# Altium PCB PCB.PcbDoc (part 1 of 4) (continued)
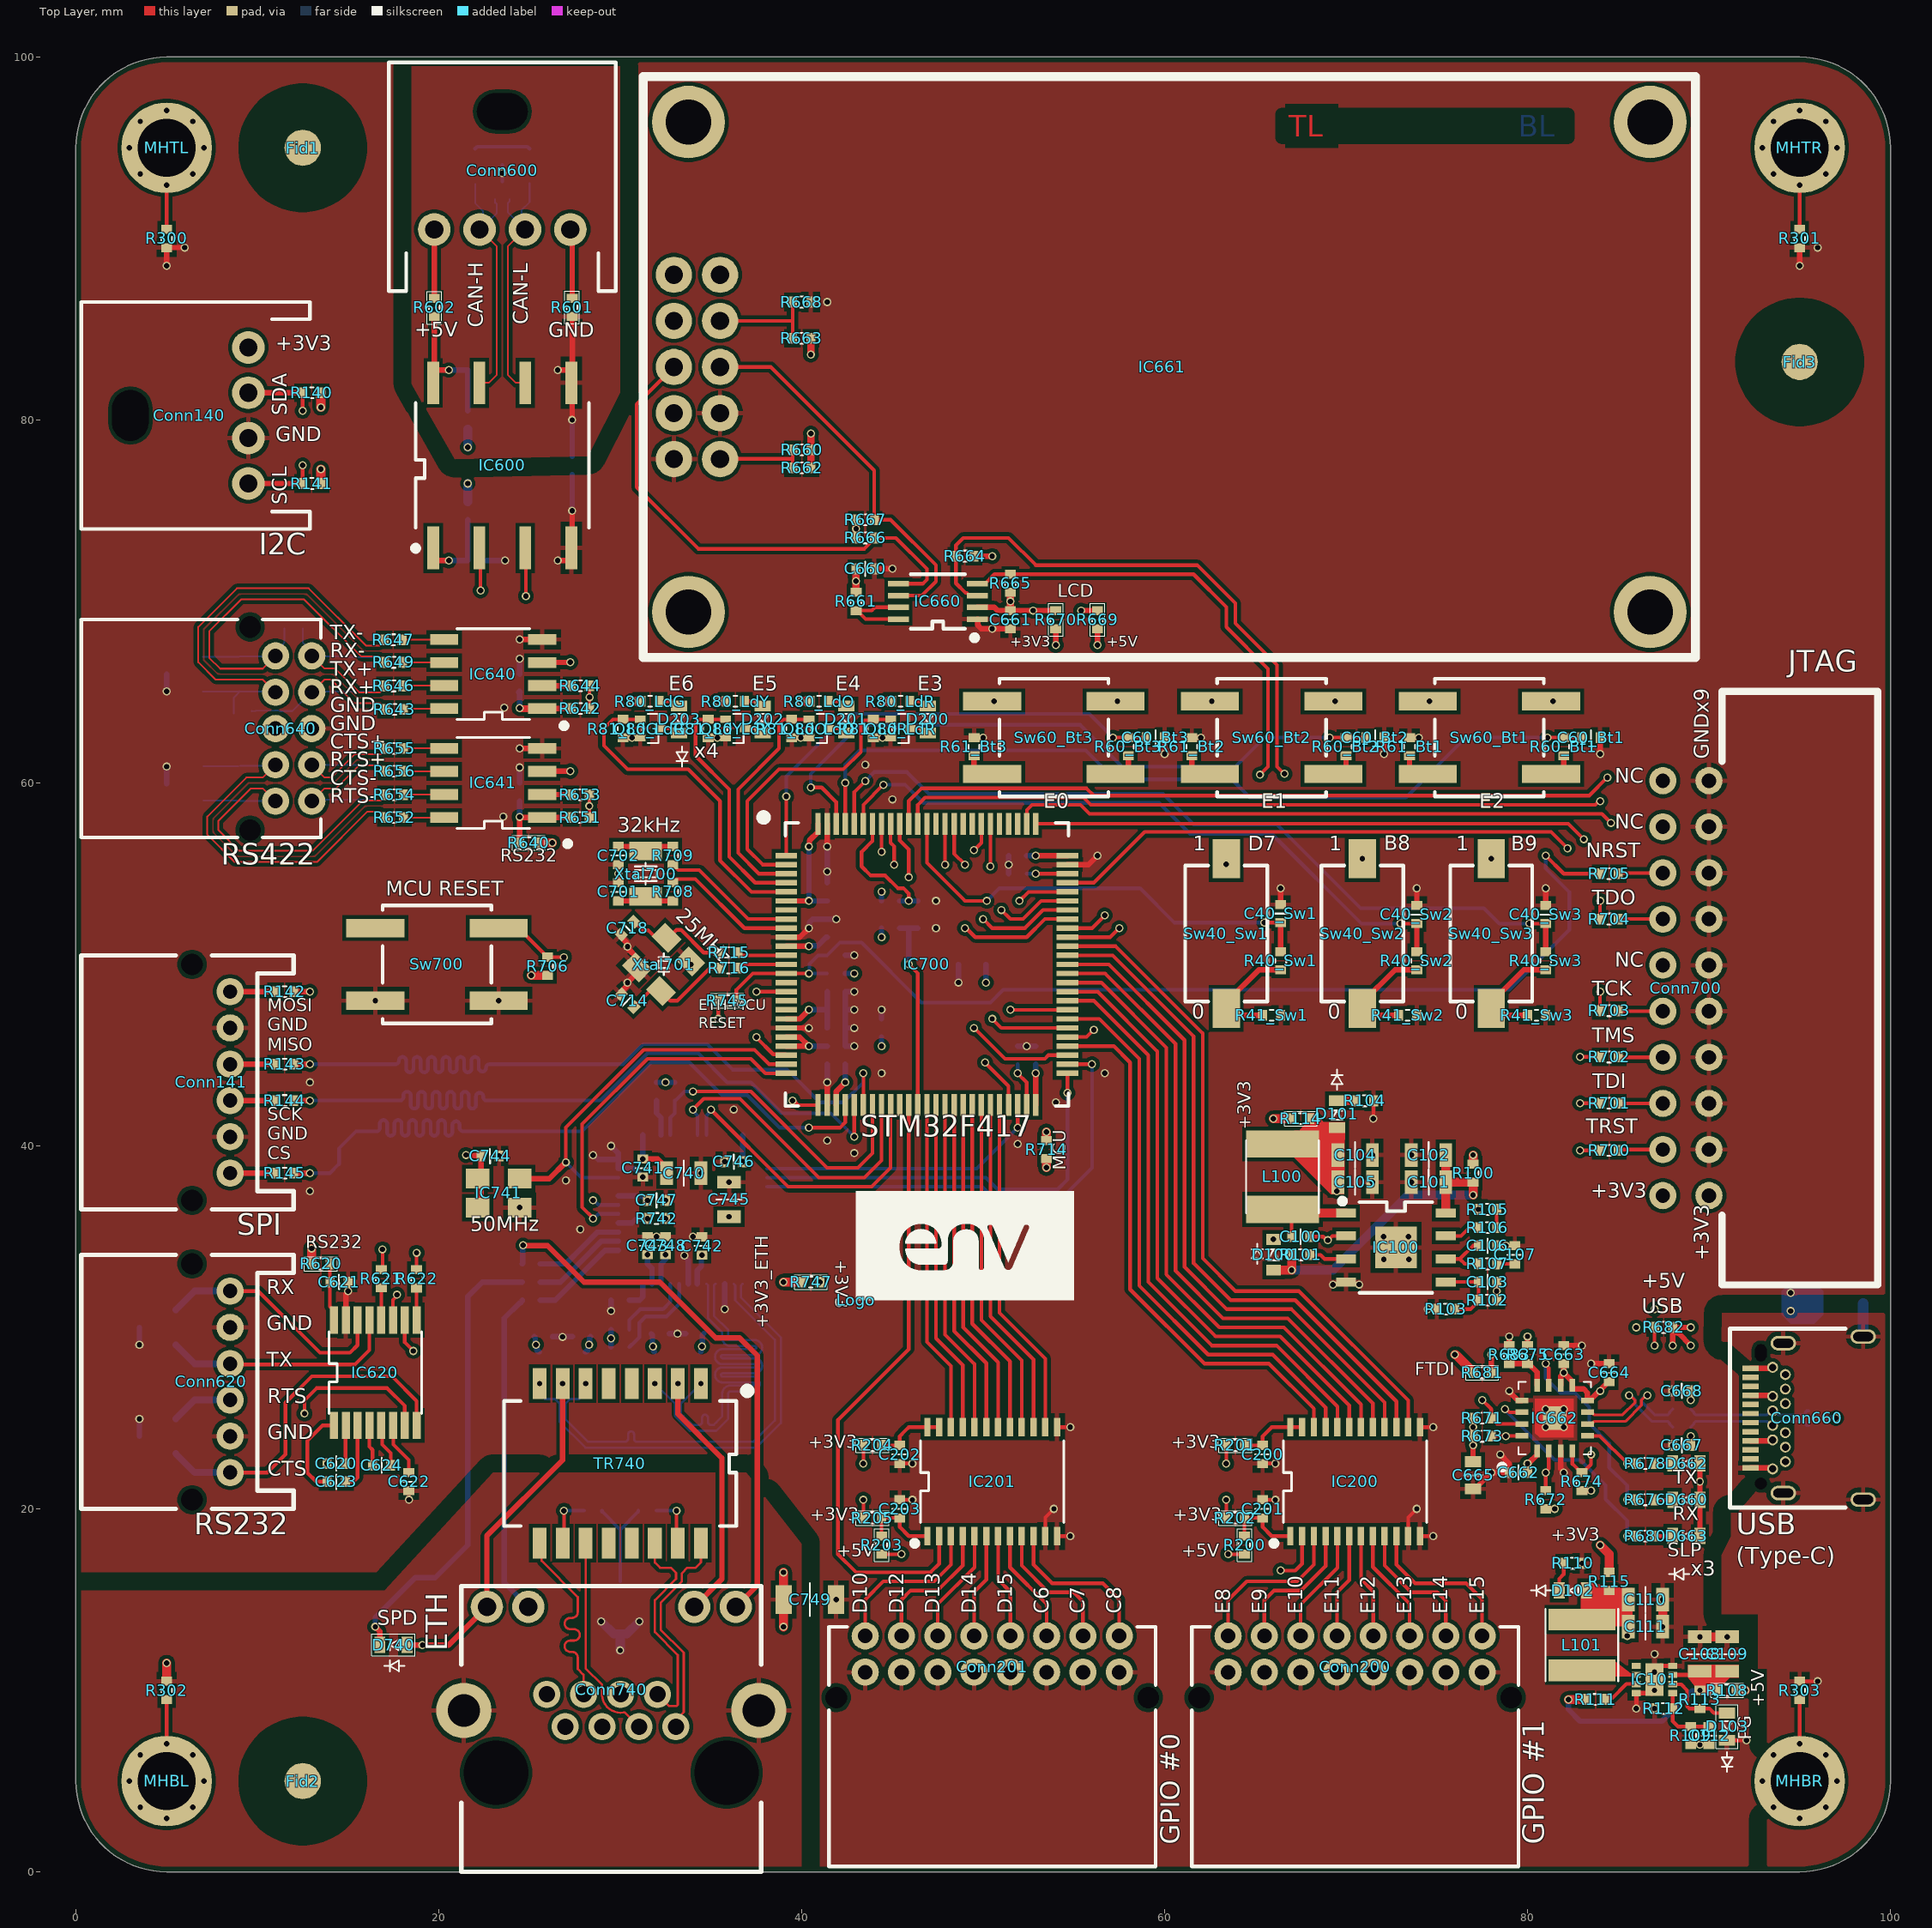
[diagram p0: Top Layer view]
## Components (designator, comment, footprint, x,y, rotation, side; value= is the part's Value field where it differs from the comment) (continued)
C703 "Capacitor_Seramic" Capacitor_Seramic_M1608_I0603 49.4,50 r180 bottom value=4.7uF
C704 "Capacitor_Seramic" Capacitor_Seramic_M1005_I0402 41.4,52 r270 bottom value=100nF
C705 "Capacitor_Seramic" Capacitor_Seramic_M1005_I0402 41.9,47.5 r180 bottom value=100nF
C706 "Capacitor_Seramic" Capacitor_Seramic_M1005_I0402 41.9,44.5 r0 bottom value=100nF
C707 "Capacitor_Seramic" Capacitor_Seramic_M1005_I0402 52.9,45 r270 bottom value=100nF
C708 "Capacitor_Seramic" Capacitor_Seramic_M1005_I0402 40.9,55.5 r180 bottom value=100nF
C709 "Capacitor_Seramic" Capacitor_Seramic_M1005_I0402 51.9,56 r0 bottom value=100nF
C710 "Capacitor_Seramic" Capacitor_Seramic_M1005_I0402 44.4,46.5 r90 bottom value=1uF
C711 "Capacitor_Seramic" Capacitor_Seramic_M1005_I0402 41.9,48.5 r0 bottom value=1uF
C712 "Capacitor_Seramic" Capacitor_Seramic_M1005_I0402 41.9,45.5 r180 bottom value=100nF
C713 "Capacitor_Seramic" Capacitor_Seramic_M1005_I0402 41.9,46.5 r180 bottom value=100nF
C714 "Capacitor_Seramic" Capacitor_Seramic_M1005_I0402 30.4,48 r135 top value=16pF
C715 "Capacitor_Seramic" Capacitor_Seramic_M1005_I0402 41.4,54 r270 bottom value=100nF
C716 "Capacitor_Seramic" Capacitor_Seramic_M1005_I0402 51.9,45 r90 bottom value=2.2uF
C717 "Capacitor_Seramic" Capacitor_Seramic_M1005_I0402 51.9,55 r180 bottom value=2.2uF
C718 "Capacitor_Seramic" Capacitor_Seramic_M1005_I0402 30.4,52 r225 top value=16pF
C740 "Capacitor_Seramic" Capacitor_Seramic_M2012_I0805 33.5,38.5 r0 top value=10uF
C741 "Capacitor_Seramic" Capacitor_Seramic_M1005_I0402 31.245,38.779 r270 top value=100nF
C742 "Capacitor_Seramic" Capacitor_Seramic_M1005_I0402 34.498,34.488 r90 top value=100nF
C743 "Capacitor_Seramic" Capacitor_Seramic_M1005_I0402 31.5,34.5 r90 top value=100nF
C744 "Capacitor_Seramic" Capacitor_Seramic_M1005_I0402 22.822,39.441 r180 top value=100nF
C745 "Capacitor_Seramic" Capacitor_Seramic_M2012_I0805 36,37.05 r90 top value=10uF
C746 "Capacitor_Seramic" Capacitor_Seramic_M1005_I0402 36.255,39.129 r180 top value=100nF
C747 "Capacitor_Seramic" Capacitor_Seramic_M1005_I0402 32,37 r0 top value=100nF
C748 "Capacitor_Seramic" Capacitor_Seramic_M1005_I0402 32.5,34.5 r90 top value=100nF
C749 "Capacitor_Seramic" Capacitor_Seramic_M3216_I1206 40.45,15 r0 top value=1nF
C750 "Capacitor_Seramic" Capacitor_Seramic_M1005_I0402 32.202,29.649 r0 bottom value=100nF
C751 "Capacitor_Seramic" Capacitor_Seramic_M3216_I1206 30,14.55 r90 bottom value=1nF
C752 "Capacitor_Seramic" Capacitor_Seramic_M1005_I0402 27.864,29.498 r180 bottom value=100nF
C753 "Capacitor_Seramic" Capacitor_Seramic_M1005_I0402 34.1,29.65 r180 bottom value=100nF
C754 "Capacitor_Seramic" Capacitor_Seramic_M1005_I0402 25.764,29.498 r0 bottom value=100nF
Conn140 "Connector - 4P" "Connector, S04B-XASK-1" 9.5,80.25 r90 top locked
Conn141 "Connector - 6P" "Connector, S06B-PASK-2" 8.5,43.5 r90 top
Conn200 "Connector - 16P" "Connector, S16B-PADSS-1" 70.5,12 r180 top
Conn201 "Connector - 16P" "Connector, S16B-PADSS-1" 50.5,12 r180 top
Conn600 "Connector - 4P" "Connector, S04B-XASK-1" 23.5,90.5 r0 top locked
Conn620 "Connector - 6P" "Connector, S06B-PASK-2" 8.5,27 r90 top locked
Conn640 "Connector - 10P" "Connector, S10B-PADSS-1" 12,63 r90 top locked
Conn660 "GCT, USB4056" "GCT, USB4056" 98.5,25 r90 top
Conn700 "Connector - 20P" "Connector - Omron, XG4C-2034" 88.73,48.69 r90 top
Conn740 "RJ45 - Amphenol, RJHSE-x38-A1" "RJ45 - Amphenol, RJHSE-x38-A1" 29.508,8.889 r0 top locked
D100 "Diode_Schottky" Diode_SOD-523_SC-79 66,34 r90 top
D101 "Diode_Led" Diode_SMD_M1608_I0603_Green 69.5,41.75 r90 top
D102 "Diode_Led" Diode_SMD_M1608_I0603_Green 82.5,15.5 r180 top
D103 "Diode_Led" Diode_SMD_M1608_I0603_Green 91,8 r270 top
D200 "Diode_Led" Diode_SMD_M1608_I0603_Red 46.95,63.5 r270 top
D201 "Diode_Led" Diode_SMD_M1608_I0603_Orange_1 42.45,63.5 r270 top
D202 "Diode_Led" Diode_SMD_M1608_I0603_Yellow 37.85,63.5 r270 top
D203 "Diode_Led" Diode_SMD_M1608_I0603_Green 33.25,63.5 r270 top
D600 "Diode_TVS_2P_Common_Anode" Diode_SOT-723_2P_Common_Anode_Type_1 23.5,92.651 r0 bottom
D660 "Diode_Led" Diode_SMD_M1608_I0603_Green 88.75,20.5 r180 top
D661 "Diode_TVS_2P_Common_Anode" Diode_SOT-723_2P_Common_Anode_Type_1 96,25 r270 bottom
D662 "Diode_Led" Diode_SMD_M1608_I0603_Yellow 88.75,22.5 r180 top
D663 "Diode_Led" Diode_SMD_M1608_I0603_Red 88.75,18.5 r180 top
D740 "Diode_Led" Diode_SMD_M1608_I0603_Orange_1 17.5,12.5 r180 top
Fid1 "Fiducial" "Fiducial - 2mm, 5mm (SON)" 12.5,95 r0 top
Fid2 "Fiducial" "Fiducial - 2mm, 5mm (SON)" 12.5,5 r0 top
Fid3 "Fiducial" "Fiducial - 2mm, 5mm (SON)" 95,83.2 r0 top
Housing300 "Housing - 6P" "Housing, XAP-04V-1" 23.5,114.5 r0 top
Housing301 "Housing - 6P" "Housing, PADP-16V-1-S" 51,-17.5 r180 top
Housing302 "Housing - 6P" "Housing, PADP-16V-1-S" 71.5,-17.5 r180 top
Housing303 "Housing - 6P" "Housing, PADP-10V-1-S" -19.5,63 r270 top
Housing304 "Housing - 6P" "Housing, PAP-06V-S" -18,27 r270 top
Housing305 "Housing - 6P" "Housing, XAP-04V-1" -19,80.5 r90 top
Housing306 "Housing - 6P" "Housing, PAP-06V-S" -18,43.5 r270 top
IC100 "Richtek, RT2862xSP" "Richtek, RT2862xSP, SOP-8" 72.75,34.405 r0 top
IC101 "Diodes, AP3441" "DFN-8, 2mm x 2mm, 0,5mm" 87,10.6 r180 top
IC200 "Nexperia, 74LVC4245A" TSSOP-24 70.5,21.5 r90 top
IC201 "Nexperia, 74LVC4245A" TSSOP-24 50.5,21.5 r90 top
IC600 "CAN - Texas, ISO1050DUBR" "DIP-8, Gull Wing" 23.5,77.5 r90 top
IC620 "RS232 - Texas, TRS3232IPWR" TSSOP-16 16.5,27.5 r90 top locked
IC640 "RS422 - Texas, SN65HVD30D" "SOIC-8, NB" 23,66 r180 top locked
IC641 "RS422 - Texas, SN65HVD30D" "SOIC-8, NB" 23,60 r180 top locked
IC660 "Voltage Translator, I2C - NXP, NVT2002DP" "TSSOP-8, Body 3mm, Pitch 0.65mm" 47.5,70 r180 top
IC661 "Orient, AMC0802BR-B-B6WTDW-SPI" "Orient, AMC0802BR-B-B6WTDW-SPI" 60.26,82.92 r0 top locked
IC662 "FTDI, FT230XQ" "QFN-16, 4mm x 4mm, 0,65mm" 81.5,25 r90 top
IC700 "STM - STM32F417VxTx" "QFP-100, 14mm x 14mm" 46.9,50 r0 top locked
IC740 "Ethernet - Texas, DP83848xVV" "QFP-48, 7mm x 7mm, 0.5mm" 34,36.5 r180 bottom locked
IC741 "Clock Oscillator - ECS, ECS-2325, ECS-2333" "Clock Oscillator - ECS, ECS-2325, ECS-2333" 23.3,37.4 r0 top
L100 "Inductor" "Taiyo Yuden - Power Inductor, 5050WK" 66.5,38.3 r90 top value=4.7uH
L101 "Inductor" "Taiyo Yuden - Power Inductor, 4040TK" 83,12.5 r90 top value=2.2uH
Logo "Logo" "Logo 1" 43,31.5 r0 top
MHBL "Hole" "Mounting Hole - Hole-3.2mm, Pad-5mm" 5,5 r0 top
MHBR "Hole" "Mounting Hole - Hole-3.2mm, Pad-5mm" 95,5 r0 top
MHTL "Hole" "Mounting Hole - Hole-3.2mm, Pad-5mm" 5,95 r0 top
MHTR "Hole" "Mounting Hole - Hole-3.2mm, Pad-5mm" 95,95 r0 top
Pin300 "Pin" "Pin, SXA-001T-P0.6" 19.5,124 r0 top
Pin301 "Pin" "Pin, SXA-001T-P0.6" 22,124 r0 top
Pin302 "Pin" "Pin, SPND-001T-C0.5" 44,-29 r0 top
Pin303 "Pin" "Pin, SPND-001T-C0.5" 46,-29 r0 top
Pin304 "Pin" "Pin, SPND-001T-C0.5" 48,-29 r0 top
Pin305 "Pin" "Pin, SPND-001T-C0.5" 50,-29 r0 top
Pin306 "Pin" "Pin, SPND-001T-C0.5" 64,-29 r0 top
Pin307 "Pin" "Pin, SPND-001T-C0.5" 66,-29 r0 top
Pin308 "Pin" "Pin, SPND-001T-C0.5" 68,-29 r0 top
Pin309 "Pin" "Pin, SPND-001T-C0.5" 70,-29 r0 top
Pin310 "Pin" "Pin, SXA-001T-P0.6" 24.5,124 r0 top
Pin311 "Pin" "Pin, SXA-001T-P0.6" 27,124 r0 top
Pin312 "Pin" "Pin, SPND-001T-C0.5" 52,-29 r0 top
Pin313 "Pin" "Pin, SPND-001T-C0.5" 54,-29 r0 top
Pin314 "Pin" "Pin, SPND-001T-C0.5" 56,-29 r0 top
Pin315 "Pin" "Pin, SPND-001T-C0.5" 58,-29 r0 top
Pin316 "Pin" "Pin, SPND-001T-C0.5" 72,-29 r0 top
Pin317 "Pin" "Pin, SPND-001T-C0.5" 74,-29 r0 top
Pin318 "Pin" "Pin, SPND-001T-C0.5" 76,-29 r0 top
Pin319 "Pin" "Pin, SPND-001T-C0.5" 78,-29 r0 top
Pin320 "Pin" "Pin, SPND-001T-C0.5" 44,-37.5 r0 top
Pin321 "Pin" "Pin, SPND-001T-C0.5" 46,-37.5 r0 top
Pin322 "Pin" "Pin, SPND-001T-C0.5" 48,-37.5 r0 top
Pin323 "Pin" "Pin, SPND-001T-C0.5" 50,-37.5 r0 top
Pin324 "Pin" "Pin, SPND-001T-C0.5" 72,-37.5 r0 top
Pin325 "Pin" "Pin, SPND-001T-C0.5" 74,-37.5 r0 top
Pin326 "Pin" "Pin, SPND-001T-C0.5" 76,-37.5 r0 top
Pin327 "Pin" "Pin, SPND-001T-C0.5" 78,-37.5 r0 top
Pin328 "Pin" "Pin, SPND-001T-C0.5" 52,-37.5 r0 top
Pin329 "Pin" "Pin, SPND-001T-C0.5" 54,-37.5 r0 top
Pin330 "Pin" "Pin, SPND-001T-C0.5" 56,-37.5 r0 top
Pin331 "Pin" "Pin, SPND-001T-C0.5" 58,-37.5 r0 top
Pin332 "Pin" "Pin, SPND-001T-C0.5" 64,-37.5 r0 top
Pin333 "Pin" "Pin, SPND-001T-C0.5" 66,-37.5 r0 top
Pin334 "Pin" "Pin, SPND-001T-C0.5" 68,-37.5 r0 top
Pin335 "Pin" "Pin, SPND-001T-C0.5" 70,-37.5 r0 top
Pin336 "Pin" "Pin, SPND-001T-C0.5" -30,59 r90 top
Pin337 "Pin" "Pin, SPND-001T-C0.5" -30,61 r90 top
Pin338 "Pin" "Pin, SPND-001T-C0.5" -30,63 r90 top
Pin339 "Pin" "Pin, SPHD-001T-P0.5" -26.5,22 r90 top
Pin340 "Pin" "Pin, SPHD-001T-P0.5" -26.5,24 r90 top
Pin341 "Pin" "Pin, SPHD-001T-P0.5" -26.5,26 r90 top
Pin342 "Pin" "Pin, SPND-001T-C0.5" -30,65 r90 top
Pin343 "Pin" "Pin, SPND-001T-C0.5" -30,67 r90 top
Pin344 "Pin" "Pin, SPND-001T-C0.5" -38,67 r90 top
Pin345 "Pin" "Pin, SPHD-001T-P0.5" -26.5,28 r90 top
Pin346 "Pin" "Pin, SPHD-001T-P0.5" -26.5,30 r90 top
Pin347 "Pin" "Pin, SPHD-001T-P0.5" -26.5,32 r90 top
Pin348 "Pin" "Pin, SPND-001T-C0.5" -38,59 r90 top
Pin349 "Pin" "Pin, SPND-001T-C0.5" -38,61 r90 top
Pin350 "Pin" "Pin, SPND-001T-C0.5" -38,63 r90 top
Pin351 "Pin" "Pin, SPND-001T-C0.5" -38,65 r90 top
Pin352 "Pin" "Pin, SXA-001T-P0.6" -28.5,76.5 r90 top
Pin353 "Pin" "Pin, SXA-001T-P0.6" -28.5,79 r90 top
Pin354 "Pin" "Pin, SPHD-001T-P0.5" -26.5,38.5 r90 top
Pin355 "Pin" "Pin, SPHD-001T-P0.5" -26.5,40.5 r90 top
Pin356 "Pin" "Pin, SPHD-001T-P0.5" -26.5,42.5 r90 top
Pin357 "Pin" "Pin, SXA-001T-P0.6" -28.5,81.5 r90 top
Pin358 "Pin" "Pin, SXA-001T-P0.6" -28.5,84 r90 top
Pin359 "Pin" "Pin, SPHD-001T-P0.5" -26.5,44.5 r90 top
Pin360 "Pin" "Pin, SPHD-001T-P0.5" -26.5,46.5 r90 top
Pin361 "Pin" "Pin, SPHD-001T-P0.5" -26.5,48.5 r90 top
Q80_LdG "Mosfet, N-Channel" "SOT-416FL, Mosfet - Type 1" 31.65,63 r270 top (schematic designator Q80)
Q80_LdO "Mosfet, N-Channel" "SOT-416FL, Mosfet - Type 1" 40.95,63 r270 top (schematic designator Q80)
Q80_LdR "Mosfet, N-Channel" "SOT-416FL, Mosfet - Type 1" 45.45,63 r270 top (schematic designator Q80)
Q80_LdY "Mosfet, N-Channel" "SOT-416FL, Mosfet - Type 1" 36.35,63 r270 top (schematic designator Q80)
R40_Sw1 "Resistor" Resistor_SMD_M1005_I0402 66.4,50.2 r90 top value=1K (schematic designator R40)
R40_Sw2 "Resistor" Resistor_SMD_M1005_I0402 73.9,50.2 r90 top value=1K (schematic designator R40)
R40_Sw3 "Resistor" Resistor_SMD_M1005_I0402 81,50.2 r90 top value=1K (schematic designator R40)
R41_Sw1 "Resistor" Resistor_SMD_M1005_I0402 65.9,47.2 r0 top value=100K (schematic designator R41)
R41_Sw2 "Resistor" Resistor_SMD_M1005_I0402 73.4,47.2 r0 top value=100K (schematic designator R41)
R41_Sw3 "Resistor" Resistor_SMD_M1005_I0402 80.5,47.2 r0 top value=100K (schematic designator R41)
R60_Bt1 "Resistor" Resistor_SMD_M1005_I0402 82,62 r90 top value=1K (schematic designator R60)
R60_Bt2 "Resistor" Resistor_SMD_M1005_I0402 70,62 r90 top value=1K (schematic designator R60)
R60_Bt3 "Resistor" Resistor_SMD_M1005_I0402 58,62 r90 top value=1K (schematic designator R60)
R61_Bt1 "Resistor" Resistor_SMD_M1005_I0402 73.5,62 r90 top value=100K (schematic designator R61)
R61_Bt2 "Resistor" Resistor_SMD_M1005_I0402 61.5,62 r90 top value=100K (schematic designator R61)
R61_Bt3 "Resistor" Resistor_SMD_M1005_I0402 49.5,62 r90 top value=100K (schematic designator R61)
R80_LdG "Resistor" Resistor_SMD_M1005_I0402 31.65,64.5 r180 top value=330R (schematic designator R80)
R80_LdO "Resistor" Resistor_SMD_M1005_I0402 40.95,64.5 r180 top value=330R (schematic designator R80)
R80_LdR "Resistor" Resistor_SMD_M1005_I0402 45.45,64.5 r180 top value=330R (schematic designator R80)
R80_LdY "Resistor" Resistor_SMD_M1005_I0402 36.35,64.5 r180 top value=330R (schematic designator R80)
R81_LdG "Resistor" Resistor_SMD_M1005_I0402 30.15,63 r270 top value=100K (schematic designator R81)
R81_LdO "Resistor" Resistor_SMD_M1005_I0402 39.45,63 r270 top value=100K (schematic designator R81)
R81_LdR "Resistor" Resistor_SMD_M1005_I0402 43.95,63 r270 top value=100K (schematic designator R81)
R81_LdY "Resistor" Resistor_SMD_M1005_I0402 34.85,63 r270 top value=100K (schematic designator R81)
R100 "Resistor" Resistor_SMD_M1005_I0402 77,38.5 r270 top value=0R
R101 "Resistor" Resistor_SMD_M1005_I0402 67.5,34 r180 top value=150K
R102 "Resistor" Resistor_SMD_M1005_I0402 77.8,31.5 r0 top value=75K
R103 "Resistor" Resistor_SMD_M1005_I0402 75.5,31 r0 top value=24K
R104 "Resistor" Resistor_SMD_M1005_I0402 71.02,42.484 r0 top value=1K
R105 "Resistor" Resistor_SMD_M1005_I0402 77.8,36.5 r180 top value=56K
R106 "Resistor" Resistor_SMD_M1005_I0402 77.8,35.5 r0 top value=56K
R107 "Resistor" Resistor_SMD_M1005_I0402 77.8,33.5 r180 top value=16K
R108 "Resistor" Resistor_SMD_M1005_I0402 91,10 r180 top value=0R
R109 "Resistor" Resistor_SMD_M1005_I0402 89,7.5 r270 top value=453K
R110 "Resistor" Resistor_SMD_M1005_I0402 82.5,17 r0 top value=1K
R111 "Resistor" Resistor_SMD_M1005_I0402 83.75,9.5 r0 top value=0R
R112 "Resistor" Resistor_SMD_M1005_I0402 87.5,9 r180 top value=100K
R113 "Resistor" Resistor_SMD_M1005_I0402 89.5,9.5 r270 top value=1K
R114 "Resistor" Resistor_SMD_M1005_I0402 67.5,41.5 r180 top value=0R
R115 "Resistor" Resistor_SMD_M1005_I0402 84.5,16 r90 top value=0R
R140 "Resistor" Resistor_SMD_M1005_I0402 13,81.5 r180 top value=2.2K
R141 "Resistor" Resistor_SMD_M1005_I0402 13,76.5 r180 top value=2.2K
R142 "Resistor" Resistor_SMD_M1005_I0402 11.5,48.5 r180 top value=330R
R143 "Resistor" Resistor_SMD_M1005_I0402 11.5,44.5 r180 top value=330R
R144 "Resistor" Resistor_SMD_M1005_I0402 11.5,42.5 r180 top value=330R
R145 "Resistor" Resistor_SMD_M1005_I0402 11.5,38.5 r180 top value=330R
R200 "Resistor" Resistor_SMD_M1005_I0402 64.4,18 r90 top value=0R
R201 "Resistor" Resistor_SMD_M1005_I0402 63.9,23.5 r180 top value=0R
R202 "Resistor" Resistor_SMD_M1005_I0402 63.9,19.5 r0 top value=0R
R203 "Resistor" Resistor_SMD_M1005_I0402 44.403,18 r90 top value=0R
R204 "Resistor" Resistor_SMD_M1005_I0402 43.9,23.5 r180 top value=0R
R205 "Resistor" Resistor_SMD_M1005_I0402 43.9,19.5 r0 top value=0R
R300 "Resistor" Resistor_SMD_M1005_I0402 5,90 r270 top value=0R
R301 "Resistor" Resistor_SMD_M1005_I0402 95,90 r90 top value=0R
R302 "Resistor" Resistor_SMD_M1005_I0402 5,10 r90 top value=0R
R303 "Resistor" Resistor_SMD_M1005_I0402 95,10 r270 top value=0R
R600 "Resistor" Resistor_SMD_M1005_I0402 21.6,75 r270 bottom value=0R
R601 "Resistor" Resistor_SMD_M1005_I0402 27.35,86.2 r90 top value=0R
R602 "Resistor" Resistor_SMD_M1005_I0402 19.75,86.2 r90 top value=0R
R603 "Resistor" Resistor_SMD_M1005_I0402 21.6,80 r90 bottom value=0R
R604 "Resistor" Resistor_SMD_M1005_I0402 27.35,77.5 r90 bottom value=0R
R605 "Resistor" Resistor_SMD_M2012_I0805 22,94 r90 bottom value=60.4R
R606 "Resistor" Resistor_SMD_M2012_I0805 25,94 r270 bottom value=60.4R
R620 "Resistor" Resistor_SMD_M1005_I0402 13.5,33.5 r0 top value=0R
R621 "Resistor" Resistor_SMD_M1005_I0402 16.833,32.68 r90 top value=330R
R622 "Resistor" Resistor_SMD_M1005_I0402 18.775,32.674 r90 top value=330R
R640 "Resistor" Resistor_SMD_M1005_I0402 24.95,56.7 r180 top value=0R
R641 "Resistor" Resistor_SMD_M2012_I0805 15,66 r90 bottom value=60.4R
R642 "Resistor" Resistor_SMD_M1005_I0402 27.8,64.1 r0 top value=10K
R643 "Resistor" Resistor_SMD_M1005_I0402 17.55,64.05 r180 top value=22R
R644 "Resistor" Resistor_SMD_M1005_I0402 27.8,65.35 r0 top value=330R
R645 "Resistor" Resistor_SMD_M2012_I0805 9,66 r90 bottom value=60.4R
R646 "Resistor" Resistor_SMD_M1005_I0402 17.512,65.344 r180 top value=22R
R647 "Resistor" Resistor_SMD_M1005_I0402 17.488,67.89 r180 top value=22R
R648 "Resistor" Resistor_SMD_M2012_I0805 9,59.95 r270 bottom value=60.4R
R649 "Resistor" Resistor_SMD_M1005_I0402 17.5,66.646 r180 top value=22R
R650 "Resistor" Resistor_SMD_M2012_I0805 15,60 r270 bottom value=60.4R
R651 "Resistor" Resistor_SMD_M1005_I0402 27.8,58.1 r0 top value=10K
R652 "Resistor" Resistor_SMD_M1005_I0402 17.55,58.1 r180 top value=22R
R653 "Resistor" Resistor_SMD_M1005_I0402 27.8,59.35 r0 top value=330R
R654 "Resistor" Resistor_SMD_M1005_I0402 17.55,59.35 r180 top value=22R
R655 "Resistor" Resistor_SMD_M1005_I0402 17.55,61.9 r180 top value=22R
R656 "Resistor" Resistor_SMD_M1005_I0402 17.55,60.65 r180 top value=22R
R657 "Resistor" Resistor_SMD_M1005_I0402 9.201,63.958 r180 bottom value=0R
R658 "Resistor" Resistor_SMD_M1005_I0402 12,68.5 r180 bottom value=0R
R660 "Resistor" Resistor_SMD_M1005_I0402 40.004,78.359 r180 top value=330R
R661 "Resistor" Resistor_SMD_M1005_I0402 43,70 r90 top value=200K
R662 "Resistor" Resistor_SMD_M1005_I0402 40.004,77.359 r180 top value=330R
R663 "Resistor" Resistor_SMD_M1005_I0402 40,84.5 r180 top value=10K
R664 "Resistor" Resistor_SMD_M1005_I0402 49,72.5 r180 top value=10K
R665 "Resistor" Resistor_SMD_M1005_I0402 51.5,71 r90 top value=10K
R666 "Resistor" Resistor_SMD_M1005_I0402 43.5,73.5 r0 top value=10K
R667 "Resistor" Resistor_SMD_M1005_I0402 43.5,74.5 r0 top value=10K
R668 "Resistor" Resistor_SMD_M1005_I0402 40,86.5 r0 top value=10K
R669 "Resistor" Resistor_SMD_M1005_I0402 56.3,69 r90 top value=0R
R670 "Resistor" Resistor_SMD_M1005_I0402 54,69 r90 top value=0R
R671 "Resistor" Resistor_SMD_M1005_I0402 77.5,25 r180 top value=4.7K
R672 "Resistor" Resistor_SMD_M1005_I0402 81,20.5 r270 top value=4.7K
R673 "Resistor" Resistor_SMD_M1005_I0402 77.5,24 r180 top value=4.7K
R674 "Resistor" Resistor_SMD_M1005_I0402 83,21.5 r270 top value=4.7K
R675 "Resistor" Resistor_SMD_M1005_I0402 80,28.5 r90 top value=4.7K
R676 "Resistor" Resistor_SMD_M1005_I0402 86.5,20.5 r180 top value=330R
R677 "Resistor" Resistor_SMD_M1005_I0402 88.5,25.5 r180 bottom value=22R
R678 "Resistor" Resistor_SMD_M1005_I0402 86.5,22.5 r180 top value=330R
R679 "Resistor" Resistor_SMD_M1005_I0402 88.5,24.5 r180 bottom value=22R
R680 "Resistor" Resistor_SMD_M1005_I0402 86.5,18.5 r180 top value=330R
R681 "Resistor" Resistor_SMD_M1005_I0402 77.5,27.5 r180 top value=0R
R682 "Resistor" Resistor_SMD_M1005_I0402 87.5,30 r0 top value=0R
R683 "Resistor" Resistor_SMD_M1005_I0402 79,28.5 r90 top value=10K
R700 "Resistor" Resistor_SMD_M1005_I0402 84.5,39.75 r0 top value=22R
R701 "Resistor" Resistor_SMD_M1005_I0402 84.5,42.35 r0 top value=22R
R702 "Resistor" Resistor_SMD_M1005_I0402 84.5,44.9 r0 top value=22R
R703 "Resistor" Resistor_SMD_M1005_I0402 84.5,47.45 r0 top value=22R
R704 "Resistor" Resistor_SMD_M1005_I0402 84.5,52.5 r0 top value=22R
R705 "Resistor" Resistor_SMD_M1005_I0402 84.5,55 r0 top value=22R
R706 "Resistor" Resistor_SMD_M1005_I0402 26,49.9 r90 top value=10K
R707 "Resistor" Resistor_SMD_M1005_I0402 41.9,49.5 r180 bottom value=1K
R708 "Resistor" Resistor_SMD_M1005_I0402 32.9,54 r90 top value=0R
R709 "Resistor" Resistor_SMD_M1005_I0402 32.9,56 r270 top value=0R
R710 "Resistor" Resistor_SMD_M1005_I0402 44.9,53.5 r180 bottom value=0R
R711 "Resistor" Resistor_SMD_M1005_I0402 44.9,52 r180 bottom value=0R
R712 "Resistor" Resistor_SMD_M1005_I0402 46.9,53.5 r180 bottom value=0R
R713 "Resistor" Resistor_SMD_M1005_I0402 46.9,52 r180 bottom value=0R
R714 "Resistor" Resistor_SMD_M1005_I0402 53.488,39.8 r90 top value=0R
R715 "Resistor" Resistor_SMD_M1005_I0402 36,50.65 r180 top value=0R
R716 "Resistor" Resistor_SMD_M1005_I0402 36,49.8 r180 top value=0R
R740 "Resistor" Resistor_SMD_M1005_I0402 33,43 r270 bottom value=2.2K
R741 "Resistor" Resistor_SMD_M1005_I0402 32,43 r270 bottom value=2.2K
R742 "Resistor" Resistor_SMD_M1005_I0402 32,36 r180 top value=10K
R743 "Resistor" Resistor_SMD_M1005_I0402 30,28.925 r0 bottom value=2.2K
R744 "Resistor" Resistor_SMD_M1005_I0402 30,29.875 r0 bottom value=2.2K
R745 "Resistor" Resistor_SMD_M1005_I0402 35.9,48 r180 top value=0R
R746 "Resistor" Resistor_SMD_M1005_I0402 30,31.5 r0 bottom value=4.87K
R747 "Resistor" Resistor_SMD_M1005_I0402 40.5,32.5 r180 top value=0R
R751 "Resistor" Resistor_SMD_M1005_I0402 25.1,32.5 r180 bottom value=330R
R752 "Resistor" Resistor_SMD_M1005_I0402 25.1,31.5 r180 bottom value=330R
R753 "Resistor" Resistor_SMD_M1005_I0402 34.419,28.15 r90 bottom value=51R
R754 "Resistor" Resistor_SMD_M1005_I0402 31.876,28.15 r270 bottom value=51R
R755 "Resistor" Resistor_SMD_M1005_I0402 25.1,33.5 r180 bottom value=330R
R756 "Resistor" Resistor_SMD_M1005_I0402 28.1,28.15 r90 bottom value=51R
R757 "Resistor" Resistor_SMD_M1005_I0402 25.55,28.15 r270 bottom value=51R
R758 "Resistor" Resistor_SMD_M1005_I0402 28.5,19.9 r0 bottom value=75R
R759 "Resistor" Resistor_SMD_M1005_I0402 31.5,19.9 r180 bottom value=75R
Sw40_Sw1 "Slide, SPST" "Slide, SPST - C&K, SDA01HxS" 63.4,51.7 r0 top locked (schematic designator Sw40)
Sw40_Sw2 "Slide, SPST" "Slide, SPST - C&K, SDA01HxS" 70.9,51.7 r0 top locked (schematic designator Sw40)
Sw40_Sw3 "Slide, SPST" "Slide, SPST - C&K, SDA01HxS" 78,51.7 r0 top locked (schematic designator Sw40)
Sw60_Bt1 "Tactile, SPST" "Tactile, SPST - Panasonic, EVQQ2" 77.9,62.5 r180 top (schematic designator Sw60)
Sw60_Bt2 "Tactile, SPST" "Tactile, SPST - Panasonic, EVQQ2" 65.9,62.5 r180 top locked (schematic designator Sw60)
Sw60_Bt3 "Tactile, SPST" "Tactile, SPST - Panasonic, EVQQ2" 53.9,62.5 r180 top locked (schematic designator Sw60)
Sw700 "Tactile, SPST" "Tactile, SPST - Panasonic, EVQQ2" 19.9,50 r180 top
TR740 "Transformer, Pulse - Bourns, SM13126PEL" "Transformer, Pulse - Bourns, SM13126PEL" 30,22.5 r270 top locked
TVS620 "Diode_Tvs_2P_Bidirectional" Diode_SOT-23-3_2P_Bidirectional_Type_1 4.5,30 r90 bottom
TVS621 "Diode_Tvs_2P_Bidirectional" Diode_SOT-23-3_2P_Bidirectional_Type_1 4.5,24 r90 bottom
TVS640 "Diode_Tvs_2P_Bidirectional" Diode_SOT-23-3_2P_Bidirectional_Type_1 6,59.95 r90 bottom
TVS641 "Diode_Tvs_2P_Bidirectional" Diode_SOT-23-3_2P_Bidirectional_Type_1 6,66 r90 bottom
TVS642 "Diode_Tvs_2P_Bidirectional" Diode_SOT-23-3_2P_Bidirectional_Type_1 17.5,65.96 r270 bottom
TVS643 "Diode_Tvs_2P_Bidirectional" Diode_SOT-23-3_2P_Bidirectional_Type_1 17.5,60.04 r270 bottom
Xtal700 "Crystal" "NDK, NX3215SA" 31.4,55 r90 top
Xtal701 "Crystal, Two Gnd Pins" "Kyocera, CX3225SB" 32.4,50 r45 top

## Footprints (in the part's own frame and the unit in brackets; to place one, negate y for a bottom-side part, rotate by r counter-clockwise, add the part's x,y. Pads: shape width x height; smd on the part's side, far side on the other; paste and mask are expansions set on the pad)
Capacitor_Seramic_M1005_I0402 [mm] "Capacitor, Seramic, M1005, I0402"
  rect 0.5x0.6 smd mask+0.05: 1(-0.5,0) 2(0.5,0)
  silkscreen extent 0,-0.4 0,0.4, body extent -0.6,-0.26 0.6,0.26, height 0.51
Capacitor_Seramic_M1608_I0603 [mm] "Capacitor, Seramic, M1608, I0603"
  rect 0.6x0.9 smd mask+0.05: 1(-0.75,0) 2(0.75,0)
  silkscreen extent 0,-0.5 0,0.51, body extent -0.93,-0.41 0.93,0.41, height 0.81
Capacitor_Seramic_M2012_I0805 [mm] "Capacitor, Seramic, M2012, I0805"
  rect 0.7x1.3 smd mask+0.05: 1(-0.95,0) 2(0.95,0)
  silkscreen extent -0.01,-0.7 0,0.7, body extent -1.09,-0.64 1.09,0.64, height 1.26
Capacitor_Seramic_M3216_I1206 [mm] "Capacitor, Seramic, M3216, I1206"
  rect 0.9x1.6 smd mask+0.05: 1(-1.45,0) 2(1.45,0)
  silkscreen extent 0,-0.9 0,0.91, body extent -1.75,-0.81 1.75,0.81, height 1.63
"Clock Oscillator - ECS, ECS-2325, ECS-2333" [mm] "Clock Oscillator - ECS, ECS-2325, ECS-2333"
  rect 1.3x1.1 smd mask+0.05: EN(-1.15,-0.8) GND(1.15,-0.8) OUT(1.15,0.8) VDD(-1.15,0.8)
  body extent -1.6,-1.25 1.6,1.25, height 1
"Connector - Omron, XG4C-2034" [mm] "Connector - Omron, XG4C-2034"
  round 1.5 hole 0.8 mask+0.05: 1(-11.43,1.27) 2(-11.43,-1.27) 3(-8.89,1.27) 4(-8.89,-1.27) 5(-6.35,1.27) 6(-6.35,-1.27) 7(-3.81,1.27) 8(-3.81,-1.27) 9(-1.27,1.27) 10(-1.27,-1.27) 11(1.27,1.27) 12(1.27,-1.27) 13(3.81,1.27) 14(3.81,-1.27) 15(6.35,1.27) 16(6.35,-1.27) 17(8.89,1.27) 18(8.89,-1.27) 19(11.43,1.27) 20(11.43,-1.27)
  silkscreen extent -16.35,-10.57 16.35,-2, body extent -16.36,-10.54 16.36,1.58, height 8.5
"Connector, S04B-XASK-1" [mm] "Connector, S04B-XASK-1"
  round 1.8 hole 1 mask+0.05: 1(3.75,0) 2(1.25,0) 3(-1.25,0) 4(-3.75,0)
  round 0 hole 2 slot 2.8 at 0 deg unplated mask+0.05: 8-VIN(0,6.5)
  silkscreen extent -6.25,-3.4 6.25,9.2, body extent -6.25,-3.4 6.25,9.2, height 7.6
"Connector, S06B-PASK-2" [mm] "Connector, S06B-PASK-2"
  round 1.5 hole 0.8: 1(5,0) 2(3,0) 3(1,0) 4(-1,0) 5(-3,0) 6(-5,0)
  round 0 hole 1.2 unplated: 7(-6.5,2.1) 7(6.5,2.1)
  silkscreen extent -7,-3.5 7,8.2, body extent -7,-3.5 7,8.2, height 6.5
"Connector, S10B-PADSS-1" [mm] "Connector, S10B-PADSS-1"
  round 1.5 hole 0.8 mask+0.05: 1(4,-1) 2(4,1) 3(2,-1) 4(2,1) 5(0,-1) 6(0,1) 7(-2,-1) 8(-2,1) 9(-4,-1) 10(-4,1)
  round 0 hole 1.2 unplated mask+0.05: 8-VIN(-5.6,2.4) 8-VIN(5.6,2.4)
  silkscreen extent -6,-1.5 6,11.7, body extent -6,-1.5 6,11.7, height 10.5
"Connector, S16B-PADSS-1" [mm] "Connector, S16B-PADSS-1"
  round 1.5 hole 0.8 mask+0.05: 1(7,-1) 2(7,1) 3(5,-1) 4(5,1) 5(3,-1) 6(3,1) 7(1,-1) 8(1,1) 9(-1,-1) 10(-1,1) 11(-3,-1) 12(-3,1) 13(-5,-1) 14(-5,1) 15(-7,-1) 16(-7,1)
  round 0 hole 1.2 unplated mask+0.05: 8-VIN(-8.6,2.4) 8-VIN(8.6,2.4)
  silkscreen extent -9,-1.5 9,11.7, body extent -9.01,-1.51 8.99,11.69, height 10.35
"DFN-8, 2mm x 2mm, 0,5mm" [mm] "DFN, 8Pin, 4mm x 4mm, 0.65mm"
  rect 0.5x0.35 smd mask+0.05: 1(-1,0.75) 2(-1,0.25) 3(-1,-0.25) 4(-1,-0.75) 5(1,-0.75) 6(1,-0.25) 7(1,0.25) 8(1,0.75)
  rect 1x1.8 smd paste-0.25 mask+0.05: EP(0,0)
  body extent -1.01,-1 1.01,1, height 0.97
Diode_SMD_M1608_I0603_Green [mm] "Diode, LED, Green, SMD, M1608, I0603"
  rect 0.6x0.9 smd mask+0.05: A(-0.75,0) K(0.75,0)
  silkscreen extent -0.3,-0.3 0.2,0.3, body extent -0.8,-0.4 0.8,0.4, height 0.7
Diode_SMD_M1608_I0603_Orange_1 [mm] "Diode, LED, Orange 1, SMD, M1608, I0603"
  rect 0.6x0.9 smd mask+0.05: A(-0.75,0) K(0.75,0)
  silkscreen extent -0.3,-0.3 0.2,0.3, body extent -0.8,-0.4 0.8,0.4, height 0.7
Diode_SMD_M1608_I0603_Red [mm] "Diode, LED, Red, SMD, M1608, I0603"
  rect 0.6x0.9 smd mask+0.05: A(-0.75,0) K(0.75,0)
  silkscreen extent -0.3,-0.3 0.2,0.3, body extent -0.8,-0.4 0.8,0.4, height 0.7
Diode_SMD_M1608_I0603_Yellow [mm] "Diode, LED, Yellow, SMD, M1608, I0603"
  rect 0.6x0.9 smd mask+0.05: A(-0.75,0) K(0.75,0)
  silkscreen extent -0.3,-0.3 0.2,0.3, body extent -0.8,-0.4 0.8,0.4, height 0.7
Diode_SOD-523_SC-79 [mm] "Diode, SMD, SOD-523, SC-79"
  rect 0.6x0.8 smd mask+0.05: A(-0.85,0) K(0.85,0)
  silkscreen extent -0.3,-0.3 0.3,0.3, body extent -0.82,-0.43 0.82,0.43, height 0.66
Diode_SOT-23-3_2P_Bidirectional_Type_1 [mm] "Diode_SOT-23-3_2P_Bidirectional_Type_1"
  rect 0.8x0.8 smd mask+0.05: Common(0,-1) D1(-0.96,1) D2(0.96,1)
  silkscreen extent -1.4,-0.6 1.4,0.6, body extent -1.46,-1.23 1.46,1.25, height 1.03
Diode_SOT-723_2P_Common_Anode_Type_1 [mm] "Diode, TVS, SMD, SOT-723, Common Anode, Type 1"
  rect 0.36x0.52 smd mask+0.05: A(0,-0.49)
  rect 0.27x0.52 smd mask+0.05: K1(-0.4,0.49) K2(0.4,0.49)
  silkscreen extent -0.6,-0.4 0.6,0.4, body extent -0.63,-0.53 0.63,0.53, height 0.45
"DIP-8, Gull Wing" [mm] "DIP-8, Gull Wing"
  rect 2.35x0.65 smd mask+0.05: 1(-4.55,3.81) 2(-4.55,1.27) 3(-4.55,-1.27) 4(-4.55,-3.81) 5(4.55,-3.81) 6(4.55,-1.27) 7(4.55,1.27) 8(4.55,3.81)
  silkscreen extent -3.43,-4.77 3.43,4.78, body extent -5.2,-4.64 5.2,4.64, height 4.85
"Fiducial - 2mm, 5mm (SON)" [mm] "Fiducial - 2mm, 5mm (SON)"
  round 2 smd paste-3 mask+1.5: TP(0,0)
  Top Layer pour cut-out: 2.5,2.5 0.915,3.415 -0.915,3.415 -2.5,2.5 -2.5,2.5 -3.266,1.353 -3.536,0 -3.266,-1.353 -2.5,-2.5 -2.5,-2.5 -1.353,-3.266 0,-3.536 1.353,-3.266 2.5,-2.5 2.5,-2.5 3.415,-0.915 3.415,0.915 2.5,2.5
"GCT, USB4056" [mm] "Connector, USB, Type-C"
  rect 0.3x0.9 smd mask+0.05: A1(-2.75,6.2) A2(-2.25,6.2) A3(-1.75,6.2) A4(-1.25,6.2) A5(-0.75,6.2) A6(-0.25,6.2) A7(0.25,6.2) A8(0.75,6.2) A9(1.25,6.2) A10(1.75,6.2) A11(2.25,6.2) A12(2.75,6.2)
  round 0.6 hole 0.4 mask+0.05: B1(2.8,4.99) B2(2.4,4.29) B3(1.6,4.29) B4(1.2,4.99) B5(0.8,4.29) B6(0.4,4.99) B7(-0.4,4.99) B8(-0.8,4.29) B9(-1.2,4.99) B10(-1.6,4.29) B11(-2.4,4.29) B12(-2.8,4.99)
  round 0 hole 0.65 unplated: Hole-1(-3.6,5.64)
  round 0 hole 0.65 slot 0.95 at 0 deg unplated: Hole-2(3.6,5.64)
  oval 0.8x1.4 hole 0.5 slot 1.1 at 90 deg: Shell1(-4.13,4.4) Shell2(4.13,4.4) Shell3(-4.49,0) Shell4(4.49,0)
  silkscreen extent -4.92,1 4.92,7.34, body extent -4.92,-2.53 4.92,7.34, height 3.28
"Housing, PADP-10V-1-S" [mm] "Housing, PADP-10V-1-S"
  body extent -6,-5.5 6,5.5, height 9.2
"Housing, PADP-16V-1-S" [mm] "Housing, PADP-16V-1-S"
  body extent -9,-5.5 9,5.5, height 9.2
"Housing, PAP-06V-S" [mm] "Housing, PAP-06V-S"
  body extent -7,-4 7,4, height 5
"Housing, XAP-04V-1" [mm] "Housing, XAP-04V-1"
  body extent -6.15,-5 6.15,4.5, height 6.3
"Kyocera, CX3225SB" [mm] "Kyocera, CX3225SB"
  rect 1.05x1.3 smd mask+0.05: 1(-1.15,-0.925) 2(1.15,0.925) GND1(-1.15,0.925) GND2(1.15,-0.925)
  silkscreen extent -0.49,-0.49 0.49,0.49, body extent -1.6,-1.25 1.6,1.25, height 0.55
"Logo 1" [mm] "Logo"
  silkscreen extent 0,0 12,6
"Mounting Hole - Hole-3.2mm, Pad-5mm" [mm] "Mounting Hole, Hole-3.2mm, Pad-5mm"
  round 0.6 hole 0.3 mask+0.05: Hole(-2.05,0) Hole(-1.45,-1.45) Hole(-1.45,1.45) Hole(0,-2.05) Hole(0,2.05) Hole(1.45,-1.45) Hole(1.45,1.45) Hole(2.05,0)
  round 5 hole 3.2 mask+0.05: Hole(0,0)
"NDK, NX3215SA" [mm] "NDK, NX3215SA"
  rect 1x1.8 smd mask+0.05: 1(-1.25,0) 2(1.25,0)
  silkscreen extent -0.6,-0.6 0.6,0.6, body extent -1.65,-0.8 1.65,0.8, height 0.89
"Orient, AMC0802BR-B-B6WTDW-SPI" [mm] "Module, LCD, Orient, AMC0802BR-B-B6WTDW-SPI"
  round 4 hole 2.5 mask+0.05: Hole-BL(-26.5,-13.5) Hole-BR(26.5,-13.5) Hole-TL(-26.5,13.5) Hole-TR(26.5,13.5)
  round 2 hole 1 mask+0.05: LED+(-24.76,-5.08) LED-(-27.3,-5.08) NC-8(-27.3,2.54) NC-9(-24.76,5.08) NC-10(-27.3,5.08) SCL(-27.3,0) SDA(-24.76,0) V0(-24.76,2.54) VDD(-27.3,-2.54) VSS(-24.76,-2.54)
  silkscreen extent -29,-16 29,16, body extent -29,-16 29,16, height 9.5
"Pin, SPHD-001T-P0.5" [mm] "Pin, SPHD-001T-P0.5"
  body extent -1.1,-3.3 1.1,3.3, height 2.55
"Pin, SPND-001T-C0.5" [mm] "Pin, SPND-001T-C0.5"
  body extent -1.1,-3.6 1.1,3.9, height 2.7
"Pin, SXA-001T-P0.6" [mm] "Pin, SXA-001T-P0.6"
  body extent -1.4,-3.6 1.4,2.9, height 2.75
"QFN-16, 4mm x 4mm, 0,65mm" [mm] "QFN, 16Pin, 4mm x 4mm, 0.65mm"
  rect 0.72x0.3 smd mask+0.05: 1(-1.81,0.975) 2(-1.81,0.325) 3(-1.81,-0.325) 4(-1.81,-0.975) 9(1.81,-0.975) 10(1.81,-0.325) 11(1.81,0.325) 12(1.81,0.975)
  rect 0.3x0.72 smd mask+0.05: 5(-0.975,-1.81) 6(-0.325,-1.81) 7(0.325,-1.81) 8(0.975,-1.81) 13(0.975,1.81) 14(0.325,1.81) 15(-0.325,1.81) 16(-0.975,1.81)
  rect 1.3x1.3 smd mask+0.05: EP(0,0)
  Top Layer region: -1.075,0.825 -0.825,1.075 1.075,1.075 1.075,-1.05 -1.075,-1.05
  silkscreen extent -2,-2 2,2, body extent -2,-2 2,2, height 0.92
"QFP-48, 7mm x 7mm, 0.5mm" [mm] "QFP-48, 7mm x 7mm, 0.5mm"
  rect 1.2x0.3 smd mask+0.05: 1(-4.1,2.75) 2(-4.1,2.25) 3(-4.1,1.75) 4(-4.1,1.25) 5(-4.1,0.75) 6(-4.1,0.25) 7(-4.1,-0.25) 8(-4.1,-0.75) 9(-4.1,-1.25) 10(-4.1,-1.75) 11(-4.1,-2.25) 12(-4.1,-2.75) 25(4.1,-2.75) 26(4.1,-2.25) 27(4.1,-1.75) 28(4.1,-1.25) 29(4.1,-0.75) 30(4.1,-0.25) 31(4.1,0.25) 32(4.1,0.75) 33(4.1,1.25) 34(4.1,1.75) 35(4.1,2.25) 36(4.1,2.75)
  rect 0.3x1.2 smd mask+0.05: 13(-2.75,-4.1) 14(-2.25,-4.1) 15(-1.75,-4.1) 16(-1.25,-4.1) 17(-0.75,-4.1) 18(-0.25,-4.1) 19(0.25,-4.1) 20(0.75,-4.1) 21(1.25,-4.1) 22(1.75,-4.1) 23(2.25,-4.1) 24(2.75,-4.1) 37(2.75,4.1) 38(2.25,4.1) 39(1.75,4.1) 40(1.25,4.1) 41(0.75,4.1) 42(0.25,4.1) 43(-0.25,4.1) 44(-0.75,4.1) 45(-1.25,4.1) 46(-1.75,4.1) 47(-2.25,4.1) 48(-2.75,4.1)
  silkscreen extent -3.5,-3.5 3.5,3.5, body extent -4.5,-4.5 4.5,4.5, height 1.52